# Altium PCB TIMESTICK_2.PcbDoc (part 2 of 2)
Units mm, origin at the board's own origin, x right, y up, seen from the top; angles counter-clockwise.
Board outline 82 x 42 mm, 4 copper layers (Top Layer, Int1, Int2, Bottom Layer), stack 0.954 mm thick; 117 components, 82 nets, 437 pads, 373 vias.
Unrouted connection lines stored in the file: 51.
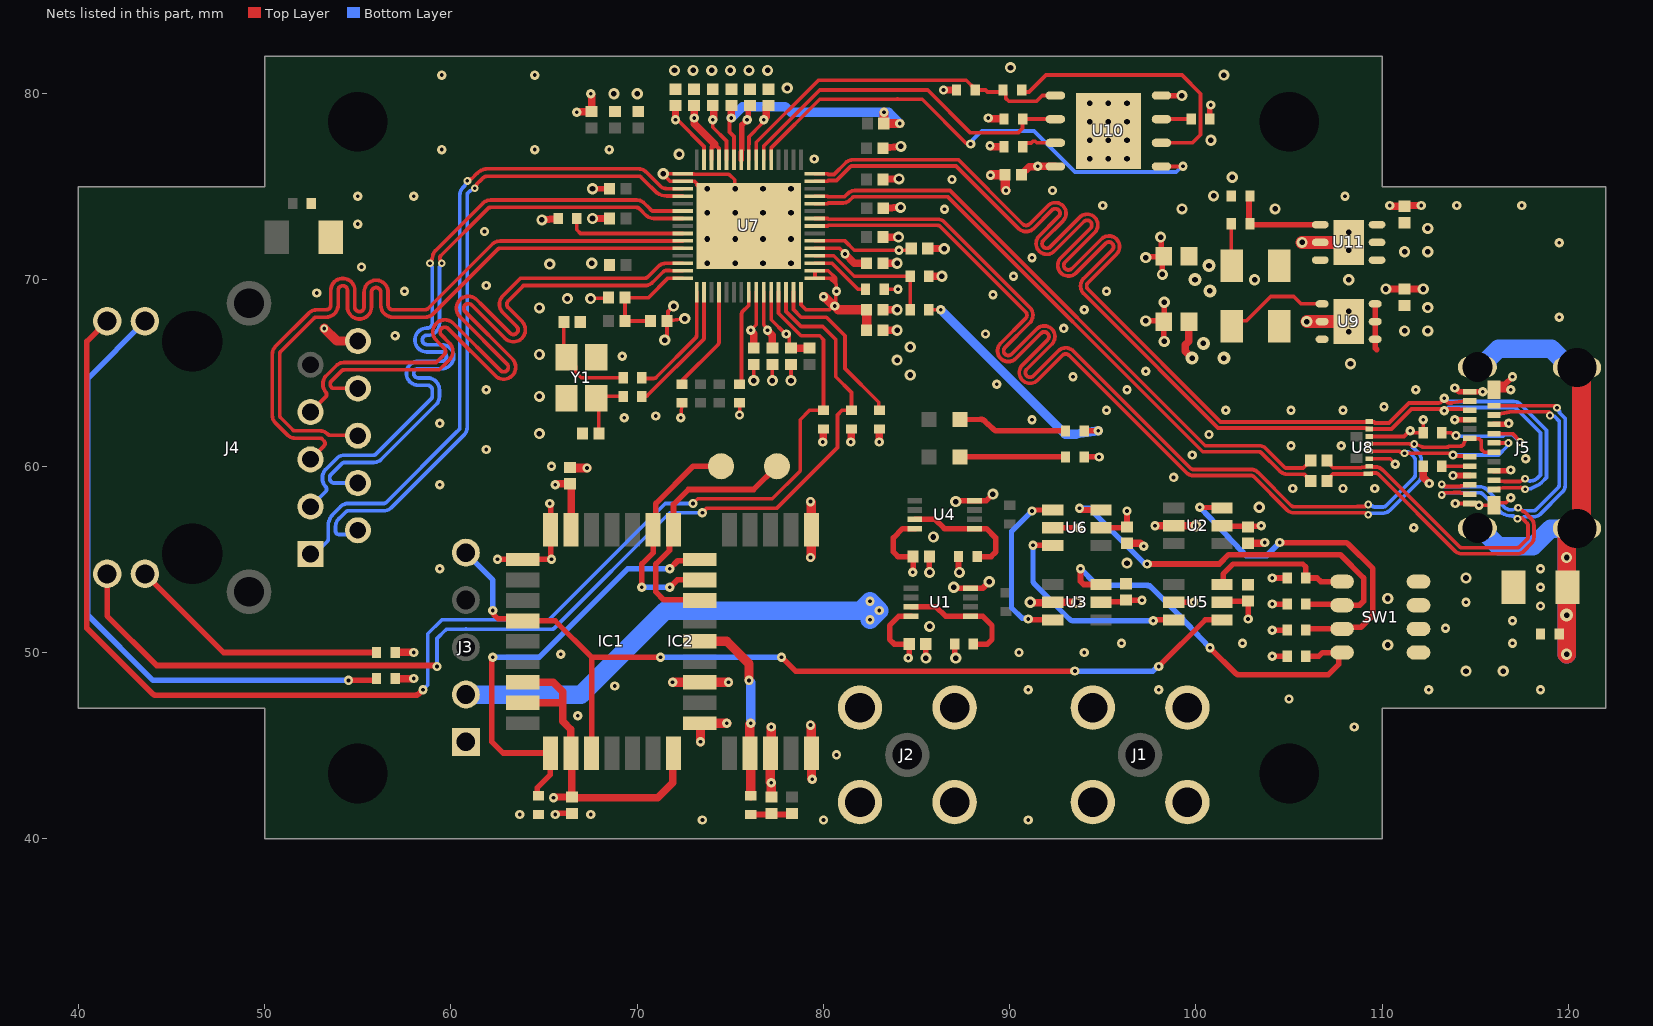
[diagram p4: the nets of this part, all layers, seen from the top]

## Via types
v1: diameter 0.5, hole 0.2, Top Layer to Bottom Layer, tented both sides, 226 vias
v2: diameter 0.6, hole 0.3, Top Layer to Bottom Layer, tented both sides, 105 vias
v3: diameter 0.42, hole 0.2, Top Layer to Bottom Layer, tented both sides, 19 vias
v4: diameter 0.6, hole 0.3, Top Layer to Bottom Layer, 16 vias
v5: diameter 0.7, hole 0.3, Top Layer to Bottom Layer, tented both sides, 7 vias

## Nets (pads, with @x,y where several pads share a name; then routed paths per layer and width w, separated by ;. In a path a pad name is that pad's centre, name@x,y a point inside that pad or via, vN(x,y) a via of type N, cw(c..) or ccw(c..) an arc to the next point about the centre after c; other vN are vias at no path point) (continued)
D_N: J5.A7 J5.B7 U7.38 U8.5 | length 58.9
  Top Layer w0.2: U7.38@79.541,72.9 80.215,72.9 80.253,72.937 85.985,72.937 86.12,72.937 cw(c86.12,72.737) 86.261,72.879 87.563,71.577 89.37,69.77 90.17,68.97 90.85,68.29 ; 90.329,65.787 cw(c89.922,66.193) 89.515,65.787 cw(c89.922,66.193) 89.515,66.6 90.851,67.936 ccw(c90.674,68.112) 90.851,68.29 ; 90.33,65.788 91.678,67.137 cw(c91.855,66.96) 92.033,66.784 90.682,65.433 ccw(c91.089,65.027) 90.682,64.62 ccw(c91.089,65.027) 91.496,64.621 ; 91.496,64.621 92.831,65.956 cw(c93.008,65.779) 93.185,65.955 93.37,65.77 99.489,59.652 ccw(c99.858,60.025) 99.858,59.5 102.823,59.5 102.958,59.5 cw(c102.958,59.3) 103.099,59.441 104.887,57.654 ccw(c105.258,58.025) 105.258,57.5 108.785,57.5 108.792,57.507 109.073,57.507 109.19,57.39 v3(109.25,57.39) ; U8.5@109.3,61.2 111.478,61.2 111.608,61.07 v3(111.726,61.187) 111.845,61.147 cw(c111.779,60.958) 111.847,61.146 112.15,61.037 ccw(c112.217,61.225) 112.217,61.025 113.472,61.025 ccw(c113.471,61.225) 113.603,61.075 113.888,61.075 ccw(c113.888,61.275) 113.895,61.075 113.956,61.077 cw(c113.962,60.877) 113.962,61.077 114.191,61.077 ccw(c114.191,61.277) 114.375,61.2 114.479,61.45 J5.A7@114.7,61.5 114.725,61.475 115.2,61.475 115.325,61.35 115.325,60.9 115.475,60.75 J5.B7@116,60.75
  Bottom Layer w0.2: v3(109.25,57.39) 109.277,57.417 109.335,57.475 109.999,57.475 110.087,57.475 110.155,57.498 110.194,57.509 ccw(c110.058,58.016) 110.428,57.643 110.532,57.747 111.947,59.163 ccw(c111.576,59.534) 112.101,59.534 112.101,60.341 ccw(c111.576,60.341) 111.948,60.712 111.71,60.949 ccw(c111.339,60.578) 111.62,61.021 111.726,61.127 v3(111.726,61.187)
D_P: J5.A6 J5.B6 U7.39 U8.4 | length 60.1
  Top Layer w0.2: U7.39@79.541,73.3 80.215,73.3 80.253,73.262 86.12,73.262 cw(c86.12,72.737) 86.49,73.11 90.4,69.2 91.081,68.519 ; 91.082,68.518 91.129,68.471 91.129,68.465 cw(c90.674,68.112) 91.081,67.706 89.745,66.37 ccw(c89.922,66.193) 89.745,66.017 ccw(c89.922,66.193) 90.098,66.016 91.449,67.366 cw(c91.855,66.96) 92.208,67.414 92.214,67.414 92.261,67.367 cw(c91.855,66.96) 92.262,67.366 92.309,67.319 92.309,67.313 cw(c91.855,66.96) 92.261,66.553 ; 92.261,66.552 90.912,65.204 ccw(c91.089,65.027) 90.912,64.85 ccw(c91.089,65.027) 91.265,64.849 92.601,66.186 cw(c93.008,65.779) 93.36,66.233 93.367,66.233 93.414,66.186 ; 93.414,66.186 93.6,66 99.717,59.883 ccw(c99.858,60.025) 99.858,59.825 102.958,59.825 cw(c102.958,59.3) 103.329,59.671 105.117,57.883 ccw(c105.258,58.025) 105.258,57.825 108.65,57.825 108.657,57.832 109.073,57.832 109.19,57.95 v3(109.25,57.95) ; U8.4@109.3,60.8 110.933,60.8 110.975,60.757 111.143,60.757 v3@111.21,60.69 ; v3(111.2,60.7) 113.617,60.7 cw(c113.617,60.5) 113.758,60.642 v1(113.8,60.6) 113.848,60.552 114.129,60.552 114.131,60.55 114.65,60.55 J5.A6@114.7,60.5 ; J5.B6@116,61.25 v3(116.775,61.25)
  Bottom Layer w0.2: v3(109.25,57.95) 109.44,57.865 109.447,57.865 109.453,57.859 109.51,57.833 ccw(c109.592,58.016) 109.592,57.816 110.058,57.816 ccw(c110.058,58.016) 110.199,57.874 111.717,59.392 ccw(c111.576,59.534) 111.776,59.534 111.776,59.937 111.776,60.341 ccw(c111.576,60.341) 111.717,60.483 111.481,60.719 ccw(c111.339,60.578) 111.339,60.778 111.262,60.7 v3(111.2,60.7) ; v1(113.8,60.6) 116.25,60.6 116.718,61.068 116.718,61.193 v3(116.775,61.25)
DVDD_1.85: C22.2 C36.2 C37.2 C38.2 FB5.1 U7.26 U7.35 U7.53 U7.56 | length 14.2
  Top Layer w0.2: v1(74.056,78.6) 74.056,78.2 74.791,77.465 U7.56@74.791,76.45 ; U7.53@75.991,76.45 75.991,77.302 75.996,77.307 75.996,77.696 76.661,78.361 76.661,78.38 76.8,78.519 v1(76.8,78.6) ; U7.26@77.191,69.35 77.191,67.865 77.956,67.1 v1(78,67.1) 78,67.093 78.156,66.937 78.156,66.44 C37.2@78.256,66.34 ; U7.35@79.541,71.7 80.856,71.7 v1(81.156,71.4)
  Top Layer w0.4: v1(74.056,78.6) 74.056,78.605 74.117,78.667 74.117,79.299 C22.2@74.056,79.36 ; v1(76.8,78.6) 76.8,78.627 76.938,78.765 76.938,79.26 77.038,79.36 C38.2@77.056,79.36 ; C37.2@78.256,66.34 FB5.1@79.256,66.34 ; v1(81.156,71.4) 81.656,70.9 C36.2@82.316,70.9
DVDD_33: C7.2 C8.2 C18.2 C19.2 C25.2 C26.2 C27.2 C28.2 FB4.1 IC1.7 IC1.8 IC2.2 IC2.7 IC2.23 L1.2 R10.2 R12.2 R16.2 R18.1 R19.1 R22.2 R24.2 R25.2 R32.1 R33.1 R34.1 R35.1 U7.25 U7.36 U7.54 U7.59 U9.1 U10.8 | length 59.2
  Top Layer w0.2: v1@71.956,78.7 71.956,79.26 C27.2@72.056,79.36 ; v1(72.056,78.6) 72.156,78.6 72.156,78.56 72.157,78.558 72.198,78.558 73.591,77.165 U7.59@73.591,76.45 ; v1(72.344,62.6) 72.39,63.25 R24.2@72.4,63.4 ; v1(75.494,62.75) 75.499,63.25 R16.2@75.5,63.4 ; U7.25@76.791,69.35 76.791,67.59 77,67.381 v1(77,67.3) ; U7.36@79.541,72.1 81.156,72.1 81.656,71.6 v1(84.056,71.6) 84.616,71.6 C26.2@84.716,71.7 ; R25.2@83.256,69.5 v1(84,69.5) ; L1.2@101.925,67.517 102.216,67.808 102.708,67.808 104.017,69.117 105.25,69.117 105.65,68.717 U9.1@106.775,68.717
  Top Layer w0.3: U7.54@75.591,76.45 75.616,77.41 75.621,77.477 75.621,78.324 75.897,78.6 v1(75.9,78.6) 75.9,78.654 75.959,78.713 75.959,79.263 C28.2@76.056,79.36 ; R35.1@100.744,78.65 100.744,79.312 100.8,79.368 v1(100.8,79.4)
  Top Layer w0.4: R10.2@57,48.6 v1(58,48.6) ; R12.2@57,50 v1(58,50) ; IC1.8@63.85,47.3 66,47.3 ; IC1.7@63.85,48.4 65.5,48.4 66,47.9 66,47.3 ; v1(65.5,42.2) 65.527,42.2 65.567,42.24 C7.2@66.5,42.24 ; v1(65.6,59) 65.627,59 65.687,59.06 C8.2@66.4,59.06 66.45,59.01 IC2.23@66.45,56.6 ; v1(66.75,79) 66.777,79 66.817,79.04 FB4.1@67.556,79.04 67.556,79.917 67.5,79.973 v1(67.5,80) ; IC2.7@71.95,44.6 71.9,44.55 71.9,43 71.1,42.2 66.54,42.2 C7.2@66.5,42.24 ; v1(72.056,78.6) C27.2@72.056,79.36 ; v1(77,67.3) 77,67.273 77.244,67.028 77.244,66.44 77.256,66.429 C25.2@77.256,66.34 ; v1(79.965,61.3) 79.965,61.305 80,61.341 R18.1@80,62 ; v1(81.465,61.3) 81.465,61.305 81.5,61.341 R19.1@81.5,62 ; v1(83,61.3) R22.2@83,62 ; v1(86.444,80.2) R32.1@87.144,80.2 ; v1(88.844,78.7) 88.85,78.7 88.9,78.65 R33.1@89.694,78.65 ; v1(88.944,77.2) 88.95,77.2 89,77.15 R34.1@89.694,77.15 ; C19.2@90.634,75.65 90.634,75.67 91.045,76.081 91.454,76.081 91.468,76.095 U10.8@92.45,76.095 ; C18.2@99.625,67.767 99.625,66.706 99.435,66.516 99.435,66.184 99.8,65.819 v5(99.8,65.8) ; 66,47.3 66,46.3 66.434,45.866 66.434,44.616 66.475,44.575 66.475,42.265 C7.2@66.5,42.24
  other v1: 91.5,76.1
  other v5: 101.5,65.8 100.4,66.6
GND: C1.1 C2.1 C3.1 C4.1 C5.1 C6.1 C7.1 C8.1 C9.2 C12.1 C13.1 C14.1 C15.1 C16.1 C17.1 C18.1 C19.1 C20.1 C21.1 C22.1 C23.1 C24.1 C25.1 C26.1 C27.1 C28.1 C29.1 C30.1 C31.1 C32.1 C33.1 C34.1 C35.1 C36.1 C37.1 C38.1 C39.1 C40.1 C41.1 C42.1 C43.1 C44.1 IC1.1 IC1.10 IC1.12 IC2.10 IC2.12 IC2.13 IC2.24 J1.2 J1.3 J1.4 J1.5 J2.2 J2.3 J2.4 J2.5 J3.1 J4.P10 J5.A1 J5.A12 J5.B1 J5.B12 R1.2 R8.1 R13.2 R15.2 R17.1 R21.1 R29.2 R30.1 R31.2 R38.2 SW1.1 SW1.2 SW1.3 SW1.4 U1.4 U2.2 U3.2 U4.4 U5.2 U6.2 U7.1 U7.2 U7.61 U8.6 U9.2 U9.7 U10.4 U10.9 U11.2 U11.7 Y1.2 Y1.4 | length 100
  Top Layer w0.2: v2(67.5,69) C23.1@68.266,69.037 ; C23.1@68.266,69.037 C23.1@68.466,69.05 ; v2(71.481,66.775) 71.56,66.889 ccw(c71.396,67.003) 71.596,67.003 C24.1@71.596,67.8 ; v2(71.956,68.6) 71.659,68.303 71.659,67.863 C24.1@71.596,67.8 ; v2(72.556,67.925) 71.796,67.83 C24.1@71.596,67.8 ; 74.997,75.616 75.231,75.383 75.231,74.9 75.256,74.875 v2(75.256,73.6) 75.291,73.6 U7.61@75.991,72.9 75.409,72.9 73.209,75.1 73.209,75.165 73.074,75.3 71.766,75.3 71.4,75.666 v2(71.4,75.7) 72.988,75.7 ccw(c73.091,75.9) 73.091,75.675 73.291,75.675 74.856,75.675 cw(c74.856,75.475) 74.997,75.617 ; v2(76.256,64.6) C41.1@76.256,65.46 ; v2(77.256,64.6) C25.1@77.256,65.46 ; v2(78.256,64.6) C37.1@78.256,65.46 ; U8.6@109.3,61.6 111.173,61.6 111.473,61.9 111.56,61.9 111.66,61.8 R31.2@112.2,61.8 v1(112.2,62.5) ; v1(113.925,58) J5.A1@114.7,58 114.75,57.95 115.15,57.95 v1(115.2,57.9) J5.B12@116,57.9 116.133,58.033 116.633,58.033 v1(116.9,58.3)
  Top Layer w0.3: v1(62.5,55) IC1.1@63.85,55 v1(65.4,55) 65.4,55.054 65.35,55.104 IC2.24@65.35,56.6 65.35,57.896 65.3,57.946 v1(65.3,58) ; v1(65.6,41.3) 65.654,41.3 65.714,41.36 C7.1@66.5,41.36 ; v2(67.6,74.9) C31.1@68.516,74.9 ; C3.1@85.49,50.45 85.49,49.71 v2(85.5,49.7) ; C6.1@85.69,55.15 85.69,54.31 v2(85.7,54.3) ; v2(87,53.5) 87.05,53.45 87.875,53.45 88.55,53.45 v2(88.9,53.8) ; R1.2@87.05,50.45 87.05,49.75 v2(87.1,49.7) ; v2(87.1,58.1) 87.15,58.15 88.075,58.15 88.75,58.15 v2(89.1,58.5) ; R8.1@87.25,55.15 87.25,54.35 v2(87.3,54.3) ; U6.2@92.3,56.7 v1(93.7,56.7) ; v2(97.3,67.8) 98.242,67.8 C18.1@98.275,67.767 ; v2(97.3,71.2) 97.339,71.239 98.247,71.239 C34.1@98.275,71.267 ; v2(98.1,72.3) 98.147,72.253 98.147,71.396 C34.1@98.275,71.267 ; U10.4@98.15,79.905 98.155,79.9 v2(99.244,79.9) ; v2(98.2,70.3) 98.2,71.192 C34.1@98.275,71.267 ; v2(98.3,66.7) 98.275,66.725 C18.1@98.275,67.767 ; v2(98.3,68.8) 98.3,68.117 C18.1@98.275,67.767 ; U5.2@98.8,52.7 v1(99.9,52.7) ; v1(113.9,64.2) 113.932,64.2 114.132,64 J5.A12@114.7,64 v1(115.4,64) ; v1(116.9,64.1) J5.B1@116.01,64.1 116.01,64.2 116.21,64.4 116.6,64.4 v1(117,64.8)
  Top Layer w0.4: v2(64.881,73.225) 65.706,73.29 R21.1@65.756,73.3 ; v2(67.6,73.3) C39.1@68.516,73.3 ; C42.1@83.196,67.3 v2(83.956,67.3) ; C43.1@83.196,68.4 v2(83.956,68.4) ; C36.1@83.196,70.9 v2(83.956,70.9) ; C32.1@83.196,72.3 v2(84.031,72.3) ; C16.1@83.196,75.4 83.296,75.403 v2(84.056,75.425) ; C17.1@83.196,77.075 83.296,77.085 v2(84.156,77.175) ; C40.1@83.206,73.85 83.306,73.855 v2(84.141,73.9) ; C26.1@85.596,71.7 85.696,71.697 v2(86.481,71.675) ; R17.1@85.656,70.2 v2(86.356,70.2) ; v2(91.1,52.7) 91.132,52.668 91.993,52.668 92.025,52.7 v2(93.6,52.7) ; C4.1@96.3,55.86 97.013,55.86 97.173,55.7 v1(97.2,55.7) ; v1(97.8,56.8) 98.425,56.8 v2(100,56.8) ; C1.1@102.8,55.86 103.633,55.86 103.673,55.9 v1(103.7,55.9) ; v2(110.2,69.517) v2(112.2,69.517) ; v1(110.4,74) 110.427,74 110.47,73.957 C35.1@111.2,73.957 111.243,74 v1(112.1,74) ; R29.2@112.2,60 112.2,59.4 v1(112.525,59.075)
  Top Layer w0.5: v3(53.2,67.4) 53.88,66.72 J4.P10@55,66.72 ; C8.1@66.4,59.94 66.44,59.9 v1(67.3,59.9) ; v1(71.9,48.4) IC1.12@73.35,48.4 v1(74.9,48.4) ; IC1.10@73.35,46.2 73.4,46.15 v1(73.4,45.2) ; IC1.10@73.6,46.2 v1(74.8,46.2) ; C12.1@77.2,42.24 v1(77.2,43) 77.15,43.05 IC2.10@77.15,44.6 77.2,44.65 v1(77.2,46) ; v1(79.3,46.1) 79.35,46.05 IC2.12@79.35,44.6 79.355,44.595 79.355,43.245 v1(79.4,43.2) ; v1(79.3,55.1) 79.35,55.15 IC2.13@79.35,56.6 79.35,58.05 v1(79.3,58.1) ; v1(88.969,75.625) 88.994,75.65 C19.1@89.754,75.65 89.754,74.846 v1(89.8,74.8)
  Top Layer w0.7: v2(105.7,72.017) U11.2@106.675,72.017 U11.7@108.2,72.017 ; v2(105.95,67.767) U9.2@106.775,67.767 U9.7@108.2,67.767
  other v1: 73.5,41 80,41 91,41 63.7,41.3 67.5,41.3 80.7,44.5 108.5,46 66.8,46.6 105,47.5 91,48 98,48 112.5,48 118.5,48 68.8,48.2 65.9,49.9 90.5,50 94,50 96,50.5 102.5,50.5 117,50.5 113.4,51.3 117,51.7 118.5,52.5 114.5,52.7 118.5,53.5 59.4,54.5 118.5,54.5 111.7,56.7 105.2,58.8 107.9,58.8 109.6,58.8 59.4,59 98.8,59.4 65.4,60 117.7,60.4 99.8,60.6 61.9,60.9 105.1,61.1 107.8,61.1 100.7,61.7 111.5,61.9 59.4,62.3 91.2,62.5 69.3,62.6 71,62.7 95.2,63 101.6,63 105.1,63 107.9,63 110.1,63.2 61.9,64.1 96.3,64.1 111.8,64.1 89.3,64.4 93.4,64.8 97.3,65.1 69.2,65.9 57,67 88.7,67.1 92.9,67.4 119.5,68 94,68.4 89.1,69.2 52.8,69.3 57.5,69.4 95.2,69.4 61.9,69.7 90.2,70.2 55.2,70.7 91.2,71.2 119.5,72 61.8,72.6 55,73 86.5,73.8 95,74 114,74 117.5,74 55,74.5 58,74.5 108,74.5 92.3,74.8 86.9,75.4 79.5,76.5 59.5,77 64.5,77 68.5,77 59.5,81 64.5,81
  other v2: 114.5,49 116.5,49 110.3,50.4 85.7,51.4 110.3,52.9 114.5,54 96.3,54.8 85.9,56.2 103.4,57.8 64.75,61.75 64.75,63.75 108.3,65.5 64.75,66 64.75,68.5 66.25,69 103.15,70.017 108.2,70.017 65.306,70.85 67.556,70.9 73.756,70.9 75.256,70.9 76.756,70.9 78.256,70.9 73.756,72.2 75.256,72.2 76.756,72.2 78.256,72.2 73.756,73.6 76.756,73.6 78.256,73.6 99.25,73.817 104.25,73.817 100.95,74.517 73.756,74.9 75.256,74.9 76.756,74.9 78.256,74.9 101.95,75.517 72.25,76.75 100.8,77.5 68.75,80 70,80 78.056,80.3 101.5,81 72,81.25 73,81.25 74,81.25 75,81.25 76,81.25 77,81.25 90.044,81.4
  other v4: 108.2,67.217 108.2,68.317 108.2,71.6 108.2,72.567 94.3,76.5 95.3,76.5 96.3,76.5 94.3,77.5 95.3,77.5 96.3,77.5 94.3,78.5 95.3,78.5 96.3,78.5 94.3,79.5 95.3,79.5 96.3,79.5
GPS_PPS_OUT: IC1.4 IC2.3 J3.5 U5.4 | length 50.6
  Top Layer w0.286: v1(62.25,52.25) 62.291,52.209 62.291,52.045 62.525,51.812 63.738,51.812 IC1.4@63.85,51.7 65.6,51.7 67.55,49.75 ; IC2.3@67.55,44.6 67.55,49.75 ; v1(71.25,49.75) 67.55,49.75 ; v1(77.75,49.75) 78.5,49 v1(93.5,49) ; v1(98,49.25) 100.5,51.75 U5.4@101.4,51.75
  Bottom Layer w0.286: J3.5@60.8,55.34 62.25,53.89 v1(62.25,52.25) ; v1(71.25,49.75) v1(77.75,49.75) ; v1(93.5,49) 97.692,49 97.942,49.25 v1(98,49.25)
LED0: J4.P12 R18.2 U7.27 | length 75.4
  Top Layer w0.2: v1(73,58) 73.25,58.25 77.25,58.25 78.75,59.75 78.75,62.5 79.25,63 R18.2@80,63 80,66.796 79.796,67 78.8,67 77.591,68.209 U7.27@77.591,69.35
  Top Layer w0.3: J4.P12@41.54,67.79 40.45,66.7 40.45,51.3 43.962,47.788 ccw(c44.174,48) 44.174,47.7 58.076,47.7 ccw(c58.076,48) 58.287,47.787 v1(58.5,48)
  Bottom Layer w0.2: v1(58.5,48) 58.75,48.25 58.75,51 59.5,51.75 65.25,51.75 71.5,58 v1(73,58)
LED1: J4.P14 R19.2 U7.28 | length 59.4
  Top Layer w0.2: v1(73.5,57.5) 73.75,57.75 77.5,57.75 80.75,61 80.75,62.75 81,63 R19.2@81.5,63 81.5,63.956 80.656,64.8 80.656,66.8 79.956,67.5 78.8,67.5 77.991,68.309 U7.28@77.991,69.35
  Top Layer w0.3: J4.P14@41.54,54.22 41.54,51.96 44.2,49.3 59.115,49.3 59.142,49.273 59.227,49.273 v1(59.25,49.25)
  Bottom Layer w0.2: v1(59.25,49.25) 59.25,50.75 59.691,51.191 cw(c59.833,51.05) 59.832,51.25 60.795,51.255 cw(c60.8,50.28) 60.801,51.255 65.417,51.25 ccw(c65.417,51.45) 65.559,51.309 71.75,57.5 v1(73.5,57.5)
MDI0_N: J4.P2 U7.4 | length 36
  Top Layer w0.2: v3(61.275,74.925) 61.275,74.985 61.389,75.099 61.389,75.156 61.634,75.401 61.679,75.446 cw(c61.988,75.139) 61.989,75.575 70.067,75.575 cw(c70.067,75.375) 70.208,75.517 70.323,75.403 70.489,75.239 70.954,74.774 ccw(c71.6,75.42) 71.6,74.506 U7.4@72.435,74.506
  Bottom Layer w0.2: 53.959,57.159 ccw(c54.341,56.776) 53.8,56.777 53.8,56.53 ccw(c54,56.53) 54,56.33 54.688,56.33 ccw(c54.688,56.53) 54.829,56.389 J4.P2@55,56.56 ; 53.959,57.159 54.144,57.344 54.348,57.548 cw(c54.489,57.406) 54.489,57.606 56.385,57.606 ccw(c56.385,58.2) 56.804,57.779 60.695,61.67 ccw(c60.275,62.09) 60.869,62.089 60.869,73.637 60.869,74.554 cw(c61.069,74.554) 60.927,74.695 60.987,74.754 cw(c61.128,74.613) 61.017,74.779 61.189,74.893 cw(c61.3,74.727) v3(61.275,74.925)
MDI0_P: J4.P1 U7.3 | length 37
  Top Layer w0.2: v3(60.879,75.321) 60.939,75.321 61.053,75.435 61.11,75.435 61.401,75.726 cw(c61.988,75.139) 61.99,75.969 70.067,75.969 cw(c70.067,75.375) 70.449,75.83 70.477,75.806 cw(c70.349,75.653) 70.488,75.796 70.49,75.795 71.211,75.074 71.233,75.052 ccw(c71.6,75.42) 71.6,74.9 71.991,74.9 U7.3@72.441,74.9
  Bottom Layer w0.2: J4.P1@52.46,55.29 53.06,55.66 53.348,55.948 ccw(c53.206,56.089) 53.406,56.089 53.406,56.777 cw(c54.341,56.776) 53.681,57.438 53.695,57.453 54.07,57.827 cw(c54.489,57.406) 54.489,58 56.385,58 ccw(c56.385,58.2) 56.526,58.058 60.301,61.833 60.417,61.949 ccw(c60.275,62.09) 60.475,62.089 60.475,73.637 60.475,73.834 60.475,74.554 cw(c61.069,74.554) 60.648,74.973 60.709,75.034 ccw(c60.567,75.174) 60.733,75.064 60.847,75.235 ccw(c60.681,75.346) v3(60.879,75.321)
MDI1_N: J4.P4 U7.7 | length 36
  Top Layer w0.2: v3(59.5,70.9) ccw(c59.304,70.858) 59.483,70.947 59.419,71.077 cw(c59.598,71.166) 59.457,71.307 61.992,73.842 cw(c62.133,73.7) 62.133,73.9 69.96,73.9 cw(c69.96,73.7) 70.101,73.842 70.217,73.726 70.463,73.48 ccw(c70.883,73.9) 70.883,73.306 U7.7@72.435,73.306
  Bottom Layer w0.2: J4.P4@55,59.1 53.719,59.1 cw(c53.719,59.3) 53.578,59.158 53.552,59.185 cw(c53.694,59.325) 53.494,59.325 53.494,59.411 cw(c53.694,59.411) 53.552,59.552 54.142,60.142 cw(c54.283,60) 54.283,60.2 55.836,60.2 ccw(c55.836,60.794) 56.255,60.373 59.212,63.329 ccw(c58.79,63.748) 59.385,63.748 59.385,63.8 59.385,64.097 ccw(c58.74,64.097) 58.74,64.741 58.249,64.741 cw(c58.249,64.991) 58.249,65.241 59.506,65.241 ccw(c59.506,65.885) 59.506,66.529 58.707,66.529 cw(c58.707,66.779) 58.707,67.029 58.74,67.029 ccw(c58.74,67.673) 59.385,67.673 59.385,68.6 59.385,70.703 59.5,70.819 v3(59.5,70.9)
MDI1_P: J4.P3 U7.6 | length 37
  Top Layer w0.2: v3(58.875,70.9) cw(c59.071,70.858) 58.895,70.955 58.966,71.083 ccw(c58.79,71.18) 58.986,71.139 59.017,71.286 cw(c59.598,71.166) 59.177,71.585 61.714,74.121 cw(c62.133,73.7) 62.133,74.294 69.96,74.294 cw(c69.96,73.7) 70.38,74.12 70.626,73.874 70.742,73.758 ccw(c70.883,73.9) 70.883,73.7 U7.6@72.441,73.7
  Bottom Layer w0.2: J4.P3@52.46,57.83 53.264,58.634 ccw(c53.122,58.775) 53.269,58.911 53.258,58.922 cw(c53.694,59.325) 53.1,59.325 53.1,59.411 cw(c53.694,59.411) 53.274,59.831 53.864,60.421 cw(c54.283,60) 54.283,60.594 55.836,60.594 ccw(c55.836,60.794) 55.977,60.652 58.932,63.607 ccw(c58.79,63.748) 58.99,63.748 58.99,63.8 58.99,64.097 ccw(c58.74,64.097) 58.74,64.347 58.249,64.347 cw(c58.249,64.991) 58.249,65.635 59.506,65.635 ccw(c59.506,65.885) 59.506,66.135 58.707,66.135 cw(c58.707,66.779) 58.707,67.423 58.74,67.423 ccw(c58.74,67.673) 58.99,67.673 58.99,68.6 58.99,70.703 58.875,70.819 v3(58.875,70.9)
MDI2_N: J4.P6 U7.11 | length 37.1
  Top Layer w0.2: J4.P6@55,61.64 ccw(c54.901,61.466) 54.902,61.666 53.516,61.666 cw(c53.516,61.866) 53.375,61.725 ccw(c52.954,61.306) 52.954,61.9 51.64,61.9 cw(c51.64,62.1) 51.499,61.958 50.858,62.599 cw(c51,62.74) 50.8,62.74 50.8,66.017 cw(c51,66.017) 50.858,66.158 52.648,67.948 cw(c52.789,67.806) 52.789,68.006 53,68.006 53.297,68.006 ccw(c53.297,68.65) 53.941,68.65 53.941,69.441 cw(c54.191,69.441) 54.441,69.441 54.441,68.55 ccw(c55.085,68.55) 55.729,68.55 55.729,69.345 cw(c55.979,69.345) 56.229,69.345 56.229,68.65 ccw(c56.873,68.65) 56.873,68.006 57.8,68.006 58.617,68.006 ccw(c58.617,68.6) 59.036,68.179 62.499,71.642 cw(c62.64,71.5) 62.64,71.7 U7.11@72.441,71.7
MDI2_P: J4.P5 U7.10 | length 37.8
  Top Layer w0.2: J4.P5@52.46,60.37 52.69,60.6 53.176,61.086 ccw(c53.034,61.227) 53.175,61.369 53.094,61.449 ccw(c52.954,61.306) 52.954,61.506 52.64,61.506 51.64,61.506 cw(c51.64,62.1) 51.222,61.678 50.578,62.322 cw(c51,62.74) 50.406,62.74 50.406,66.017 cw(c51,66.017) 50.579,66.436 52.37,68.227 cw(c52.789,67.806) 52.789,68.4 53,68.4 53.297,68.4 ccw(c53.297,68.65) 53.547,68.65 53.547,69.441 cw(c54.191,69.441) 54.835,69.441 54.835,68.55 ccw(c55.085,68.55) 55.335,68.55 55.335,69.345 cw(c55.979,69.345) 56.623,69.345 56.623,68.65 ccw(c56.873,68.65) 56.873,68.4 57.8,68.4 58.617,68.4 ccw(c58.617,68.6) 58.758,68.458 62.221,71.921 cw(c62.64,71.5) 62.64,72.094 U7.10@72.435,72.094
MDI3_N: J4.P8 U7.14 | length 37
  Top Layer w0.2: J4.P8@55,64.18 53.719,64.18 cw(c53.719,64.38) 53.519,64.38 53.519,64.437 cw(c53.719,64.437) 53.578,64.578 54.117,65.117 cw(c54.258,64.975) 54.258,65.175 59.375,65.175 59.7,65.5 59.91,65.71 ccw(c59.455,66.165) 59.968,66.555 59.968,66.563 59.911,66.62 ; 59.845,67.393 ccw(c59.668,67.216) 59.491,67.393 ccw(c59.668,67.216) 59.491,67.04 59.91,66.621 ; 59.846,67.392 62.374,64.864 ; 61.11,68.657 62.897,66.87 ccw(c63.352,67.325) 63.806,66.869 63.807,66.87 ccw(c63.352,67.325) 63.807,67.781 63.071,68.517 cw(c63.248,68.694) 63.071,68.871 63.75,69.55 63.9,69.7 70.403,69.7 ccw(c70.403,70.314) 70.412,69.7 ccw(c70.403,70.314) 70.837,69.88 71.401,70.444 71.405,70.448 cw(c71.543,70.303) 71.543,70.503 71.732,70.503 cw(c71.732,70.303) 71.734,70.503 71.991,70.5 U7.14@72.441,70.5 ; 61.109,68.657 ccw(c60.932,68.481) 60.755,68.658 ccw(c60.932,68.481) 60.755,68.304 63.343,65.716 63.343,65.708 cw(c62.83,65.318) 63.286,64.863 63.284,64.862 cw(c62.83,65.318) 62.374,64.864
MDI3_P: J4.P7 U7.13 | length 37.8
  Top Layer w0.2: J4.P7@52.46,62.91 53.265,63.715 ccw(c53.123,63.856) 53.274,63.987 cw(c53.719,64.38) 53.125,64.38 53.125,64.437 cw(c53.719,64.437) 53.299,64.857 53.572,65.13 53.838,65.395 cw(c54.258,64.975) 54.258,65.569 59.212,65.569 59.421,65.779 59.631,65.989 ccw(c59.455,66.165) 59.631,66.343 ; 59.63,66.343 59.213,66.76 cw(c59.668,67.216) 59.211,67.671 59.213,67.672 cw(c59.668,67.216) 60.057,67.73 60.066,67.73 62.654,65.141 ccw(c62.83,65.318) 63.007,65.142 ccw(c62.83,65.318) 63.007,65.496 ; 63.006,65.496 60.478,68.024 cw(c60.932,68.481) 60.476,68.935 60.477,68.936 cw(c60.932,68.481) 61.321,68.994 61.33,68.994 61.749,68.575 63.175,67.149 ccw(c63.352,67.325) 63.529,67.149 ccw(c63.352,67.325) 63.529,67.502 62.792,68.239 cw(c63.248,68.694) 62.792,69.149 63.471,69.829 63.737,70.094 70.403,70.094 ccw(c70.403,70.314) 70.559,70.159 70.668,70.268 71.124,70.724 cw(c71.543,70.303) 71.543,70.897 71.764,70.897 71.767,70.9 U7.13@72.441,70.9
MUX1_CTRL: R3.1 SW1.8 U3.6 | length 21
  Top Layer w0.3: v1(93.8,54.5) 93.8,53.826 93.976,53.65 U3.6@94.9,53.65 ; v1(100.75,50.25) 102.113,48.887 ccw(c102.324,49.1) 102.323,48.8 107.1,48.8 107.658,49.358 107.658,49.803 SW1.8@107.85,49.995 106.795,49.995 106.6,49.8 R3.1@105.9,49.8
  Bottom Layer w0.3: v1(93.8,54.5) 94.612,53.688 ; 94.613,53.687 ccw(c94.824,53.9) 94.824,53.6 97.376,53.6 cw(c97.376,53.3) 97.588,53.512 99.097,52.003 cw(c98.885,51.791) 99.103,51.997 v1(100.75,50.25)
MUX2_CTRL: R4.1 SW1.7 U2.6 | length 18.9
  Top Layer w0.3: v1(100.2,57.8) 100.975,57.768 U2.6@101.4,57.75 ; v1(104.5,55.9) 107.976,55.9 cw(c107.976,55.6) 108.188,55.812 109.5,54.5 109.5,52 108.847,51.347 107.932,51.347 SW1.7@107.85,51.265 105.965,51.265 R4.1@105.9,51.2
  Bottom Layer w0.3: v1(100.2,57.8) 102.499,55.401 ccw(c102.714,55.61) 102.501,55.399 102.502,55.398 102.7,55.2 103.8,55.2 v1(104.5,55.9)
MUX3_CTRL: R5.1 SW1.6 U6.6 | length 22.9
  Top Layer w0.3: v1(93.75,57.75) 93.782,57.75 93.882,57.65 U6.6@94.9,57.65 ; v1(97.377,54.75) 101.25,54.75 101.75,55.25 107.75,55.25 109,54 109,52.75 108.785,52.535 SW1.6@107.85,52.535 107.785,52.6 R5.1@105.9,52.6
  Bottom Layer w0.3: v1(93.75,57.75) 94.25,57.75 97.227,54.773 97.354,54.773 v1(97.377,54.75)
MUX4_CTRL: R6.1 SW1.5 U5.6 | length 7.9
  Top Layer w0.286: U5.6@101.4,53.65 101.462,53.712 101.462,54.212 102,54.75 105.732,54.75 105.9,54.582 R6.1@105.9,54
  Top Layer w0.3: R6.1@105.9,54 106.5,54 106.7,53.8 107.845,53.8 SW1.5@107.85,53.805
NetC12_2: C12.2 FB1.1 R20.2 | length 2.2
  Top Layer w0.3: R20.2@76.1,41.3 78.24,41.3 FB1.1@78.3,41.36
NetC13_2: C13.2 R27.1 Y1.1 | length 3.4
  Top Layer w0.2: C13.2@67.94,61.75 67.94,63.51 Y1.1@67.8,63.65 68.3,63.75 R27.1@69.25,63.75
NetC14_2: C14.2 R28.1 Y1.3 | length 5.6
  Top Layer w0.2: C14.2@66.06,67.75 66.06,65.99 Y1.3@66.2,65.85 66.7,65.35 66.7,65.05 67,64.75 R28.1@69.25,64.75
NetC15_2: C15.2 J5.S R30.2 | length 45.5
  Top Layer w0.2: v5@119.9,51.8 v5(119.9,52)
  Top Layer w1: v2(119.9,49.9) v5@119.9,51.8 ; v5(119.9,52) v2(119.9,55.1) 119.9,56.614 119.946,56.66 120.654,56.66 120.7,56.706 120.7,65.254 120.654,65.3 J5.S@120.46,65.3
  Bottom Layer w1: J5.S@115.11,56.68 115.583,56.68 115.629,56.634 115.629,56.317 116.246,55.7 118.1,55.7 119.041,56.641 J5.S@119.927,56.641 ; J5.S@115.11,65.32 115.583,65.32 115.629,65.366 115.629,65.683 116.246,66.3 119.074,66.3 119.691,65.683 119.691,65.346 119.737,65.3 J5.S@120.7,65.3 ; v2(119.9,49.9) v5(119.9,52) v2(119.9,55.1) 119.9,56.614 J5.S@119.927,56.641 ; J5.S@119.927,56.641 120.441,56.641 J5.S@120.46,56.66 120.654,56.66 120.7,56.706 120.7,65.254 J5.S@120.654,65.3 ; J5.S@120.654,65.3 J5.S@120.46,65.3 J5.S@120.654,65.3
NetC23_2: C23.2 C24.2 FB3.1 U7.15 | length 6.2
  Top Layer w0.2: C24.2@70.716,67.8 FB3.1@69.346,67.8 C23.2@69.346,69.05 70.606,69.05 71.656,70.1 U7.15@72.441,70.1
NetD1_2: D1.2 R2.1 | length 5.9
  Top Layer w0.3: D1.2@87.325,62.5 88.443,62.517 ; 88.444,62.517 cw(c88.448,62.217) 88.657,62.433 89.119,61.985 ccw(c89.328,62.2) 89.328,61.9 R2.1@93,61.9
NetD2_2: D2.2 R9.1 | length 5.7
  Top Layer w0.3: D2.2@87.325,60.5 R9.1@93,60.5
NetJ4_P11: J4.P11 R10.1 | length 34.1
  Top Layer w0.3: v1(54.5,48.5) 55.9,48.5 R10.1@56,48.6
  Bottom Layer w0.3: J4.P11@43.57,67.79 40.5,64.72 40.5,52 44,48.5 v1(54.5,48.5)
NetJ4_P13: J4.P13 R12.1 | length 14.2
  Top Layer w0.3: J4.P13@43.57,54.22 47.79,50 R12.1@56,50
NetJ5_A5: J5.A5 R29.1 | length 1.5
  Top Layer w0.2: R29.1@113.2,60 113.35,60 J5.A5@114.7,60
NetJ5_B5: J5.B5 R31.1 | length 6.1
  Top Layer w0.2: R31.1@113.2,61.8 113.7,61.8 113.845,61.655 v1(113.958,61.655) ; J5.B5@116,61.75 116.99,61.75 117.4,61.34 v3(117.4,61.3)
  Bottom Layer w0.2: v1(113.958,61.655) 114,61.612 116.501,61.612 116.589,61.7 117,61.7 v3(117.4,61.3)
NetL1_1: L1.1 U9.3
NetL2_1: L2.1 U11.3
NetR1_1: R1.1 U1.1 U1.7 | length 6.6
  Top Layer w0.286: U1.7@84.725,52.45 86.05,52.45 86.55,51.95 87.875,51.95 88.55,51.95 89.05,51.45 89.05,50.7 88.8,50.45 R1.1@88.05,50.45
NetR8_2: R8.2 U4.1 U4.7 | length 6.6
  Top Layer w0.3: U4.7@84.925,57.15 86,57.15 86.5,56.65 88.075,56.65 88.75,56.65 89.25,56.15 89.25,55.4 89,55.15 R8.2@88.25,55.15
NetR21_2: R21.2 U7.9 | length 6.4
  Top Layer w0.2: R21.2@66.756,73.3 66.756,72.7 66.956,72.5 71.932,72.5 U7.9@72.441,72.5
NetR22_1: R22.1 U7.29 | length 9.1
  Top Layer w0.2: U7.29@78.391,69.35 78.391,68.409 78.8,68 80.156,68 81.156,67 81.156,65.244 82.967,63.433 82.967,63.033 R22.1@83,63
NetR24_1: R24.1 U7.19 | length 5.8
  Top Layer w0.2: R24.1@72.4,64.4 72.389,64.55 cw(c72.58,64.491) 72.438,64.632 74.333,66.527 ccw(c74.191,66.668) 74.391,66.668 U7.19@74.391,69.35
NetR25_1: R25.1 U7.33 | length 3.3
  Top Layer w0.2: U7.33@79.541,70.9 80.456,70.9 81.856,69.5 R25.1@82.256,69.5
NetR34_2: R34.2 U10.7 | length 1.9
  Top Layer w0.2: R34.2@90.694,77.15 90.694,77.2 90.844,77.35 91.145,77.35 91.245,77.45 91.365,77.45 91.45,77.365 U10.7@92.45,77.365
NetR35_2: R35.2 U10.3 | length 1.6
  Top Layer w0.203: U10.3@98.15,78.635 98.165,78.65 R35.2@99.744,78.65
NetR36_1: R36.1 U10.2 | length 14.9
  Top Layer w0.203: R36.1@90.644,80.2 90.744,80.1 91.044,80.1 91.944,81 99.244,81 100.244,80 100.244,77.8 99.809,77.365 99.065,77.365 U10.2@98.15,77.365
NetR37_2: R37.2 R38.1 U11.1 | length 5.3
  Top Layer w0.3: R38.1@102.9,74.517 102.85,74.467 102.85,73.067 102.95,72.967 U11.1@106.675,72.967
NetU3_3: U3.3 U6.1 | length 9.2
  Top Layer w0.286: v1(91,51.8) 91.058,51.8 91.108,51.75 U3.3@92.3,51.75 ; v1(91.2,57.6) 91.258,57.6 91.308,57.65 U6.1@92.3,57.65
  Bottom Layer w0.286: v1(91,51.8) 90.959,51.841 90.659,51.841 90.1,52.4 90.1,56.5 v1(91.2,57.6)
NetU5_3: U5.3 U6.3 | length 11.4
  Top Layer w0.286: v1(91.25,55.75) U6.3@92.3,55.75 ; v1(97.7,51.7) 97.758,51.7 97.808,51.75 U5.3@98.8,51.75
  Bottom Layer w0.286: v1(91.25,55.75) 91.25,53.868 ccw(c91.536,53.868) 91.333,53.667 93.217,51.783 ccw(c93.418,51.986) 93.418,51.7 v1(97.7,51.7)
RESET_N: R16.1 U7.23 | length 5.1
  Top Layer w0.203: R16.1@75.5,64.4 75.6,64.548 75.6,68.16 cw(c75.803,68.16) 75.659,68.304 75.991,68.635 U7.23@75.991,69.35
SB: IC1.18 IC2.1 R15.1 | length 23.9
  Top Layer w0.3: v1(62.25,49.75) 62.227,49.727 62.227,49.642 62.2,49.615 62.2,45.2 62.8,44.6 IC2.1@65.35,44.6 65.326,44.576 65.326,43.426 64.643,42.743 64.643,42.357 R15.1@64.7,42.3 ; v1(71.75,54.5) 72.176,54.926 73.276,54.926 IC1.18@73.35,55
  Bottom Layer w0.3: v1(62.25,49.75) 64.75,49.75 69.5,54.5 v1(71.75,54.5)
SCL: IC1.17 IC2.19 TP2.1 | length 12.4
  Top Layer w0.3: v1(70.25,53.5) 70.25,54.75 70.85,55.35 IC2.19@70.85,56.6 71,56.75 71,58 73,60 TP2.1@74.5,60 ; v1(71.75,53.5) 72.15,53.9 IC1.17@73.35,53.9
  Bottom Layer w0.3: v1(70.25,53.5) v1(71.75,53.5)
SDA: IC1.16 IC2.18 TP1.1 | length 14
  Top Layer w0.3: IC1.16@73.35,52.8 73.326,52.824 71.426,52.824 71,53.25 71,54.75 71.732,55.482 71.732,56.382 IC2.18@71.95,56.6 71.95,57.95 72.75,58.75 76.25,58.75 TP1.1@77.5,60
SPI_CLK: R33.2 U7.51 U10.6 | length 19.2
  Top Layer w0.203: U7.51@76.791,76.45 76.791,77.191 79.8,80.2 85.6,80.2 87.9,77.9 90.444,77.9 90.694,78.15 R33.2@90.694,78.65 92.435,78.65 U10.6@92.45,78.635
SPI_CS: U7.50 U10.1 | length 27.4
  Top Layer w0.203: U7.50@77.191,76.45 77.191,77.091 79.8,79.7 84,79.7 ; 83.975,79.725 84,79.7 ; v1(87.9,77.3) 87.858,77.342 87.658,77.342 85.3,79.7 84,79.7 ; U10.1@98.15,76.095 v1@99.349,76.095
  Bottom Layer w0.203: v1(87.9,77.3) 87.9,77.359 88.036,77.495 88.036,77.536 88.5,78 91.3,78 93.5,75.8 98.941,75.8 99.241,76.1 v1(99.3,76.1)
SPI_DIO: R32.2 R36.2 U7.52 U10.5 | length 19.3
  Top Layer w0.203: U7.52@76.391,76.45 76.391,77.391 79.726,80.726 87.668,80.726 88.144,80.25 R32.2@88.144,80.2 88.146,80.202 88.699,80.202 88.8,80.1 89.544,80.1 R36.2@89.644,80.2 89.793,80.051 89.793,79.751 89.944,79.6 91.444,79.6 91.749,79.905 U10.5@92.45,79.905
SSRX_N: J5.A10 J5.B10 U7.44 U8.7 | length 67.2
  Top Layer w0.2: U7.44@79.541,75.3 80.215,75.3 80.253,75.337 80.697,75.337 81.426,76.067 cw(c81.567,75.925) 81.567,76.125 87.115,76.125 90.286,72.954 90.471,72.769 ccw(c90.879,73.175) 91.285,72.768 92.272,73.755 cw(c92.45,73.579) 92.626,73.756 cw(c92.45,73.579) 92.626,73.402 91.534,72.31 91.534,72.304 ccw(c91.988,71.951) 92.395,71.545 93.981,73.13 ; 93.981,73.131 cw(c94.159,72.955) 94.335,73.131 cw(c94.159,72.955) 94.335,72.778 92.701,71.143 92.701,71.137 ccw(c93.155,70.784) 93.562,70.378 95.147,71.964 ; 95.148,71.964 cw(c95.325,71.788) 95.502,71.965 cw(c95.325,71.788) 95.502,71.611 93.972,70.081 ccw(c94.379,69.675) 93.973,69.267 94.802,68.438 101.185,62.055 109.002,62.055 109.007,62.05 109.125,62.05 109.15,62.025 109.275,62.025 U8.7@109.3,62 110.5,62 111.575,63.075 113.165,63.075 113.265,62.975 v1(113.325,62.975) ; v1@113.325,63.075 114.129,63.075 cw(c114.129,62.875) 114.145,63.074 114.45,63.05 J5.A10@114.7,63 ; J5.B10@116,59.25 116.25,59.2 116.556,59.176 ccw(c116.571,59.375) 116.57,59.175 117.342,59.175 ccw(c117.342,59.375) 117.436,59.198 v3(117.675,59.325)
  Bottom Layer w0.2: v1(113.325,62.975) 113.38,62.975 113.552,63.147 116.935,63.147 117.07,63.147 cw(c117.07,62.947) 117.211,63.089 118.5,61.8 118.5,59.525 118.34,59.365 cw(c117.965,59.741) 117.768,59.248 cw(c117.843,59.433) v3(117.675,59.325)
SSRX_P: J5.A11 J5.B11 U7.45 U8.8 | length 68.5
  Top Layer w0.2: U7.45@79.541,75.7 80.215,75.7 80.253,75.662 80.562,75.662 81.196,76.296 81.198,76.298 cw(c81.567,75.925) 81.567,76.45 87.25,76.45 90.516,73.184 90.702,72.998 ccw(c90.879,73.175) 91.055,72.998 92.091,74.033 92.097,74.033 cw(c92.45,73.579) 92.856,73.986 cw(c92.45,73.579) 92.857,73.174 91.812,72.129 ccw(c91.988,71.951) 91.811,71.774 ccw(c91.988,71.951) 92.165,71.774 93.8,73.409 93.806,73.409 cw(c94.159,72.955) 94.565,73.361 cw(c94.159,72.955) 94.566,72.549 92.979,70.962 ; 92.979,70.961 ccw(c93.155,70.784) 92.978,70.608 ccw(c93.155,70.784) 93.332,70.608 94.966,72.242 94.973,72.242 cw(c95.325,71.788) 95.732,72.195 cw(c95.325,71.788) 95.733,71.382 94.202,69.852 ccw(c94.379,69.675) 94.202,69.498 95.032,68.668 101.32,62.38 109.28,62.38 U8.8@109.3,62.4 109.325,62.375 109.568,62.375 109.618,62.325 110.365,62.325 111.44,63.4 113.038,63.4 ccw(c113.038,63.6) 113.196,63.478 113.32,63.639 v1(113.325,63.645) 113.403,63.638 ccw(c113.6,63.601) 113.6,63.4 113.716,63.4 114.651,63.537 J5.A11@114.7,63.5 ; J5.B11@116,58.75 116.25,58.8 116.481,58.846 cw(c116.52,58.65) 116.519,58.85 117.342,58.85 ccw(c117.342,59.375) 117.355,58.85 117.436,58.852 cw(c117.445,58.505) v3@117.674,58.766
  Bottom Layer w0.2: v1(113.325,63.645) 113.38,63.645 113.552,63.472 117.07,63.472 cw(c117.07,62.947) 117.44,63.32 118.825,61.935 118.825,59.39 118.571,59.137 cw(c117.965,59.741) 118.345,58.974 118.025,58.815 cw(c117.937,58.995) 117.944,58.795 117.759,58.788 ccw(c117.768,58.588) v3(117.675,58.765)
SSTX_N: C11.2 U7.41 | length 33.1
  Top Layer w0.2: U7.41@79.541,74.1 80.215,74.1 80.253,74.137 81.045,74.137 ccw(c81.045,74.662) 81.416,74.291 81.542,74.417 cw(c81.683,74.275) 81.683,74.475 86.665,74.475 100.175,60.965 100.365,60.775 103.383,60.775 cw(c103.383,60.575) 103.524,60.717 104.513,59.727 ccw(c104.883,60.1) 104.883,59.575 105.805,59.575 106.16,59.22 C11.2@106.16,59.2
SSTX_P: C10.2 U7.42 | length 33.1
  Top Layer w0.2: U7.42@79.541,74.5 80.215,74.5 80.253,74.462 81.045,74.462 ccw(c81.045,74.662) 81.187,74.522 81.312,74.647 cw(c81.683,74.275) 81.683,74.8 86.283,74.8 86.8,74.8 100.5,61.1 103.383,61.1 cw(c103.383,60.575) 103.752,60.948 104.742,59.958 ccw(c104.883,60.1) 104.883,59.9 105.76,59.9 105.94,60.08 105.96,60.08 106.16,60.28 C10.2@106.16,60.3
USB3.0_SSTX_N: C11.1 J5.A3 J5.B3 U8.1 | length 32
  Top Layer w0.2: C11.1@107.04,59.2 107.24,59.4 107.24,59.47 107.357,59.587 109.362,59.587 U8.1@109.4,59.625 ; U8.1@109.25,59.6 U8.1@109.4,59.625 ; v3(113.199,59.025) 113.259,59.025 113.378,58.906 113.709,58.906 113.716,58.912 114.188,58.912 114.226,58.95 114.65,58.95 J5.A3@114.7,59 ; J5.B3@116,62.75 116.824,62.915 116.927,62.925 118.966,62.925 v3@119.108,62.783 ; v3(117.3,57.77) 117.36,57.77 117.58,57.55 117.635,57.55 117.996,57.188 cw(c117.625,56.817) 118.15,56.817 118.15,56.204 cw(c117.625,56.204) 117.998,55.834 117.996,55.832 117.617,55.453 cw(c117.246,55.825) 117.246,55.3 114.283,55.3 cw(c114.283,55.825) 113.913,55.452 109.786,59.579 ccw(c109.645,59.437) 109.645,59.637 109.519,59.637 ccw(c109.52,59.437) 109.497,59.636 U8.1@109.4,59.625
  Bottom Layer w0.2: v3(113.199,59.025) 113.199,59.017 113.316,58.9 115.242,58.9 cw(c115.242,58.375) 115.612,58.747 116.541,57.818 ccw(c116.93,58.214) 116.955,57.66 116.961,57.66 ccw(c116.942,57.859) 116.997,57.667 117.233,57.736 ccw(c117.177,57.928) v3(117.3,57.77) 117.381,57.77 117.539,57.612 118.129,57.612 ccw(c118.129,57.812) 118.271,57.671 119.442,58.842 ccw(c119.3,58.983) 119.5,58.983 119.5,62.43 119.248,62.682 119.054,62.682 v3(119.012,62.724)
USB3.0_SSTX_P: C10.1 J5.A2 J5.B2 U8.2 | length 31.6
  Top Layer w0.2: C10.1@107.04,60.3 107.24,60.1 107.24,60.03 107.357,59.912 108.869,59.912 108.902,59.945 108.953,59.945 ; 109,59.95 109.083,59.95 109.108,59.975 109.275,59.975 U8.2@109.3,60 109.4,59.975 109.497,59.964 ccw(c109.52,60.162) 109.519,59.962 109.645,59.962 cw(c109.645,59.437) 110.017,59.808 114.142,55.683 ccw(c114.283,55.825) 114.283,55.625 117.246,55.625 ccw(c117.246,55.825) 117.388,55.683 117.767,56.062 ccw(c117.625,56.204) 117.825,56.204 117.825,56.817 ccw(c117.625,56.817) 117.767,56.958 117.672,57.053 117.5,57.225 117.494,57.219 117.31,57.219 v3(117.268,57.177) ; v3(113.199,58.461) 113.259,58.461 113.378,58.581 113.844,58.581 113.851,58.587 114.188,58.587 114.226,58.55 114.65,58.55 J5.A2@114.7,58.5 ; J5.B2@116,63.25 v3@119.25,63.25
  Bottom Layer w0.2: v3(113.199,58.461) 113.203,58.461 113.316,58.575 115.108,58.575 115.242,58.575 cw(c115.242,58.375) 115.384,58.516 116.312,57.588 ccw(c116.93,58.214) 116.315,57.585 ccw(c116.93,58.214) 116.972,57.335 cw(c116.968,57.135) 117.108,57.277 117.152,57.233 ccw(c117.293,57.376) v3(117.268,57.177) 117.325,57.235 117.543,57.235 117.595,57.287 118.129,57.287 ccw(c118.129,57.812) 118.5,57.44 119.673,58.613 ccw(c119.3,58.983) 119.825,58.983 119.825,62.565 119.522,62.868 119.522,62.946 119.388,63.079 v3(119.388,63.139)
VBUS: R14.1 R17.2 U7.34 | length 7.4
  Top Layer w0.2: U7.34@79.541,71.3 80.556,71.3 81.656,70.2 R17.2@84.656,70.2 R14.1@84.656,68.4
VBUS_+5V: C1.2 C2.2 C3.2 C4.2 C5.2 C6.2 C20.2 C35.2 J3.2 J5.A4 J5.A9 J5.B4 J5.B9 R2.2 R3.2 R4.2 R5.2 R6.2 R9.2 R14.2 U1.8 U2.5 U3.5 U4.8 U5.5 U6.5 U8.3 U9.4 U9.5 U9.6 U11.4 U11.5 U11.6 | length 66.6
  Top Layer w0.2: R14.2@85.656,68.4 v1(86.3,68.4) ; U8.3@109.3,60.4 109.4,60.4 110.433,60.4 110.7,60.133 v1(110.7,60.1)
  Top Layer w0.3: v1(84.55,49.7) 84.61,49.76 C3.2@84.61,50.45 83.8,50.45 83.55,50.7 83.55,51.45 84.05,51.95 U1.8@84.725,51.95 ; v1(84.8,54.3) 84.81,54.31 C6.2@84.81,55.15 84,55.15 83.75,55.4 83.75,56.15 84.25,56.65 U4.8@84.925,56.65 ; R9.2@94,60.5 v1(94.8,60.5) ; R2.2@94,61.9 v1(94.75,61.9) ; U3.5@94.9,52.7 95.325,52.73 96.08,52.73 C2.2@96.3,52.81 ; U6.5@94.9,56.7 96.26,56.7 C4.2@96.3,56.74 v1(96.3,57.6) ; C2.2@96.25,52.81 96.42,52.804 v1(97.1,52.8) ; U5.5@101.4,52.7 101.46,52.76 C5.2@102.8,52.76 v1(102.8,51.8) ; U2.5@101.4,56.8 101.43,56.77 102.77,56.77 C1.2@102.8,56.74 102.837,56.777 103.477,56.777 v1(103.5,56.8) ; v1(104.1,49.8) R3.2@104.9,49.8 ; v1(104.1,51.2) R4.2@104.9,51.2 ; v1(104.1,52.6) R5.2@104.9,52.6 ; v1(104.1,54) R6.2@104.9,54 ; U9.6@109.625,68.717 U9.5@109.625,67.767 U9.4@109.625,66.817 109.625,66.342 109.7,66.267 ; v1(113.8,59.5) J5.A4@114.7,59.5 ; v1(113.9,62.5) J5.A9@114.7,62.5 ; J5.B9@116,59.75 116.818,59.75 116.868,59.8 v1(116.9,59.8) ; J5.B4@116,62.25 116.718,62.25 116.768,62.3 v1(116.8,62.3)
  Bottom Layer w0.5: v1(86.3,68.4) 92.981,61.719 93.503,61.719 ccw(c93.503,62.219) 93.577,61.725 v1(94.75,61.9)
  Bottom Layer w1: J3.2@60.8,47.72 66.97,47.72 71.5,52.25 82,52.25 v1(82.5,52.75) v1(83,52.25) v1(82.5,51.75)
  other v2: 111.2,67.267 112.45,67.267 112.45,68.517 111.2,71.517 112.45,71.517 112.45,72.767
VCC_RF: IC1.14 IC2.9 R20.1 | length 10.3
  Top Layer w0.5: IC1.14@73.35,50.6 74.8,50.6 76,49.4 v1(76,48.5) ; R20.1@76.1,42.3 76.1,44.55 IC2.9@76.05,44.6 76.05,46.15 v1(76.1,46.2)
  Bottom Layer w0.5: v1(76,48.5) 76.1,48.4 v1(76.1,46.2)
VCCK10: C34.2 C41.2 C42.2 C43.2 C44.2 L2.2 R37.1 U7.24 U7.30 U7.31 U7.32 U7.57 U7.58 | length 21
  Top Layer w0.2: U7.58@73.991,76.45 73.991,77.135 74.156,77.3 74.391,77.065 U7.57@74.391,76.45 ; v1(76.1,67.3) 76.391,67.591 U7.24@76.391,69.35 ; U7.30@78.791,69.35 78.791,68.665 79.056,68.4 80.333,68.4 80.533,68.6 v1(80.6,68.6) 80.656,68.656 v1@80.656,69.4 ; v1(80.7,69.4) 80.689,69.411 80.689,69.767 80.656,69.8 ; R37.1@101.9,73.017 101.9,70.792 L2.2@101.925,70.767 ; 80.356,70.1 80.656,69.8 ; 80.356,70.1 U7.31@79.541,70.1 U7.32@79.541,70.5 80.256,70.5 80.656,70.1 ; 80.356,70.1 80.656,70.1 ; 80.656,69.8 80.656,70.1
  Top Layer w0.4: C44.2@73.056,79.36 v1(73.056,78.7) 73.06,78.696 73.06,78.396 74.106,77.35 74.106,77.25 ; v1(76.1,67.3) 76.1,67.273 76.256,67.117 C41.2@76.256,66.34
  Top Layer w0.5: v1(80,69.1) 80.056,69.1 80.556,68.6 v1(80.6,68.6) 80.8,68.4 C43.2@82.316,68.4 C42.2@82.316,67.3
  other v2: 84.656,64.9 83.956,65.7 84.656,66.4
  other v5: 100.75,69.417 99.95,70.017 100.7,70.767
VCORE_LDO: C21.2 FB2.1 U7.55 | length 14.2
  Top Layer w0.2: v1(75.056,78.7) 75.056,78.64 74.956,78.54 74.956,77.94 75.191,77.705 U7.55@75.191,76.45
  Top Layer w0.4: v1(75.056,78.7) C21.2@75.056,79.36
  Top Layer w0.5: v1(83.25,79) 83.249,78.47 FB2.1@83.24,78.4 v1(84.1,78.4)
  Bottom Layer w0.5: v1(75.056,78.7) 75.656,79.3 77.956,79.3 78.256,79 83.5,79 v1(84.1,78.4)
XTL20N: R28.2 U7.16 | length 6.3
  Top Layer w0.203: R28.2@70.25,64.75 70.398,64.716 70.882,64.716 ccw(c70.882,64.919) 71.025,64.775 73.132,66.882 ccw(c72.988,67.025) 73.191,67.025 U7.16@73.191,69.35
XTL20P: R27.2 U7.17 | length 7.1
  Top Layer w0.203: R27.2@70.25,63.75 70.416,63.75 ccw(c70.416,63.953) 70.559,63.809 73.532,66.782 ccw(c73.388,66.925) 73.591,66.925 U7.17@73.591,69.35
pads on no net: IC1.5 IC1.6 IC1.9 IC1.13 IC1.15 IC2.4 IC2.5 IC2.6 IC2.8 IC2.14 IC2.15 IC2.16 IC2.17 IC2.22 J4.MH3 J4.MH4 J4.P9 J5.A8 J5.B8 MNT1. MNT2. MNT3. MNT4. U7.18 U7.22 U7.47 U7.48 U7.49 U7.60 U8.9 U8.10

## Polygon pours and split planes (outlines as drawn)
GND on Top Layer "NONET_L-01_P-001" (solid, pour order 62): 59,82 103.7,82 110.7,75 120,75 120,47 110.7,47 103.7,40 59,40
VBUS_+5V on Top Layer "NONET_L-01_P-001" (solid, pour order 49): 109,73.25 109.5,73.75 112.5,73.75 113,73.25 113,70.75 112.5,70.25 109.5,70.25 109,70.75
VBUS_+5V on Top Layer "NONET_L-01_P-001" (solid, pour order 50): 109,68.75 109.5,69.25 112.5,69.25 113,68.75 113,66.25 112.5,65.75 109.5,65.75 109,66.25
GND on Top Layer "NONET_L-01_P-001" (solid, pour order 67): 52.3,67.9 52.4,67.9 53.8,66.5 58.55,66.5 59.55,65.5 59.55,76 58.8,75.25 52.3,75.25 52.3,74.5
NetC23_2 on Top Layer "NONET_L-01_P-001" (solid, pour order 57): 68.95,69.45 70.7,69.45 71.45,70.2 72.8,70.2 72.8,69.55 71.2,67.95 71.2,67.2 70.95,66.95 69.2,66.95 68.95,67.2
VCCK10 on Top Layer "NONET_L-01_P-001" (solid, pour order 56): 82.5,64.25 81.25,65.5 81.25,66.75 79.75,68.25 79,68.25 78.5,68.75 78.5,70.5 78.75,70.75 80.25,70.75 82.5,68.5 82.5,67.25 82.9,66.85 84.8,66.85 85.1,66.55 85,66.45 85,64.65 84.6,64.25
NetL1_1 on Top Layer "NONET_L-01_P-001" (solid, pour order 52): 106.25,67.25 104.75,68.75 104,68.75 103.75,68.5 103.75,66.5 104.25,66 106.75,66 107.25,66.5 107.25,67 107,67.25
NetL2_1 on Top Layer "NONET_L-01_P-001" (solid, pour order 51): 103.65,71.55 104.15,72.05 105.15,72.05 105.65,71.55 106.95,71.55 107.15,71.35 107.15,70.35 106.55,69.75 103.95,69.75 103.65,70.05
VCCK10 on Top Layer "NONET_L-01_P-001" (solid, pour order 53): 102.725,72.433 99.225,72.433 99.225,69.383 99.675,68.933 101.725,68.933 102.725,69.933
DVDD_33 on Top Layer "NONET_L-01_P-001" (solid, pour order 54): 99.7,65.183 99.2,65.683 99.225,68.683 102.725,68.683 102.725,65.683 102.225,65.183 99.725,65.183
CHASSIS_GND on Top Layer "NONET_L-01_P-001" (solid, pour order 63): 51.3,71 51.8,71.5 51.8,74.75 51.55,75 47.8,75 47.3,74.5 47.3,52 47.8,51.5 50.8,51.5 51.3,52
VBUS_+5V on Int2 "NONET_L-01_P-001" (solid, pour order 70): 103.3,75 117.8,75 117.8,71 117.8,56 116.8,55 110.8,55 104.8,49 81.8,49 81.8,53 91.8,63 100.3,63 103.3,66
DVDD_33 on Int2 "NONET_L-01_P-001" (solid, pour order 68): 102.5,66 100,63.5 92,63.5 81.5,53 81.5,40 57,40 57.5,40.5 57.5,53.5 66.5,62.5 66.5,82 86.75,82 100,82 102.5,79.5
VCCK10 on Int2 "NONET_L-01_P-001" (solid, pour order 60): 83,64 85,64 89.5,68.5 101.5,68.5 102.5,69.5 102.5,72 101.5,73 89,73 83.3,67.3 82.5,66.5 82.5,64.5
VCCK10 on Int2 "NONET_L-01_P-001" (solid, pour order 61): 72.85,79.05 73.25,79.05 74.1,78.2 79.7,78.2 82.1,75.8 82.1,69.6 80.5,68 77.9,68 77.85,68.05 76.6,68.05 76.35,67.8 76.35,67.05 75.6,66.3 74.1,66.3 72.6,67.8 72.6,74.3 71.1,75.8 71.1,77.8 71.6,78.3 72.1,78.3
GND on Int1 "NONET_L-01_P-001" (solid, pour order 65): 59,82 103.2,82 110.2,75 119.7,75 119.7,47 110.2,47 103.2,40 59,40
CHASSIS_GND on Int1 "NONET_L-01_P-001" (solid, pour order 64): 47.3,74.5 47.8,75 50.8,75 51.3,74.5 51.3,52 50.8,51.5 47.8,51.5 47.3,52
GND on Bottom Layer "NONET_L-01_P-001" (solid, pour order 66): 59,75.25 58.5,74.75 52,74.75 52,67.5 53.5,66 58.25,66 59,65.25 59,40 101.5,40 108.5,47 120,47 120,75 108.5,75 101.5,82 59,82
DVDD_1.85 on Bottom Layer "NONET_L-01_P-001" (solid, pour order 59): 73.6,76.2 78.1,76.2 79.1,75.2 79.1,71.7 77.1,69.7 77.1,67.2 77.6,66.7 77.6,66.2 79.1,66.2 81.6,68.7 81.6,72.7 81.1,73.2 81.1,78.5 79.1,78.5 78.4,79.2 73.6,79.2 73.1,78.7 73.1,76.7

## Silkscreen, mask and mechanical layers (free items; w line width, h text height)
Top Overlay:
  lines w0.3: 62.95,69.3 62.95,57.3 63.45,59.3 62.95,59.3 63.2,59.05 63.2,58.55
  text "SHIWA" at 114.289,72.279 h2.2
  text "STICK_2" at 114.271,70.378 h2.2
  text ".revision" at 114.185,68.479 h2.2
  text "PPS" at 58.5,67.2 h3
  text "TX" at 58.5,64.7 h3
  text "PPS" at 88,63.8 h3
  text "RX" at 58.5,62.2 h3
  text "OUT" at 88,61.6 h3
  text "+5V" at 58.5,59.7 h3
  text "IN" at 88,59.4 h3
  text "SCL" at 69.25,58.9 h3
  text "SDA" at 78.75,58.9 h3
  text "GND" at 58.5,57.2 h3
  text "1->4" at 115.3,49.2 h3 r90
  text "ANT" at 90.6,42.5 h3 r90
  text "PPS" at 93.1,42.5 h3 r90
Top Courtyard:
  lines w0.05: 105.725,72.9 106.875,74.05 ; 106.35,68.25 107.5,69.4
Mechanical 19:
  drawing of 176 lines, arcs and shapes, not listed

## Dimensions
50,75 to 40,75 on Top Component Center
110,75 to 122,75 on Top Component Center
55,78.5 to 55,43.5 on Top Component Center
55,43.5 to 105,43.5 on Top Component Center
122,47 to 122,75 on Top Component Center
50,82 to 110,82 on Top Component Center
110,40 to 103.7,82 on Top Component Center
40,75 to 122,75 on Top Component Center